# Altium PCB PCB_MPPT_rev1.PcbDoc (part 1 of 3) (continued)
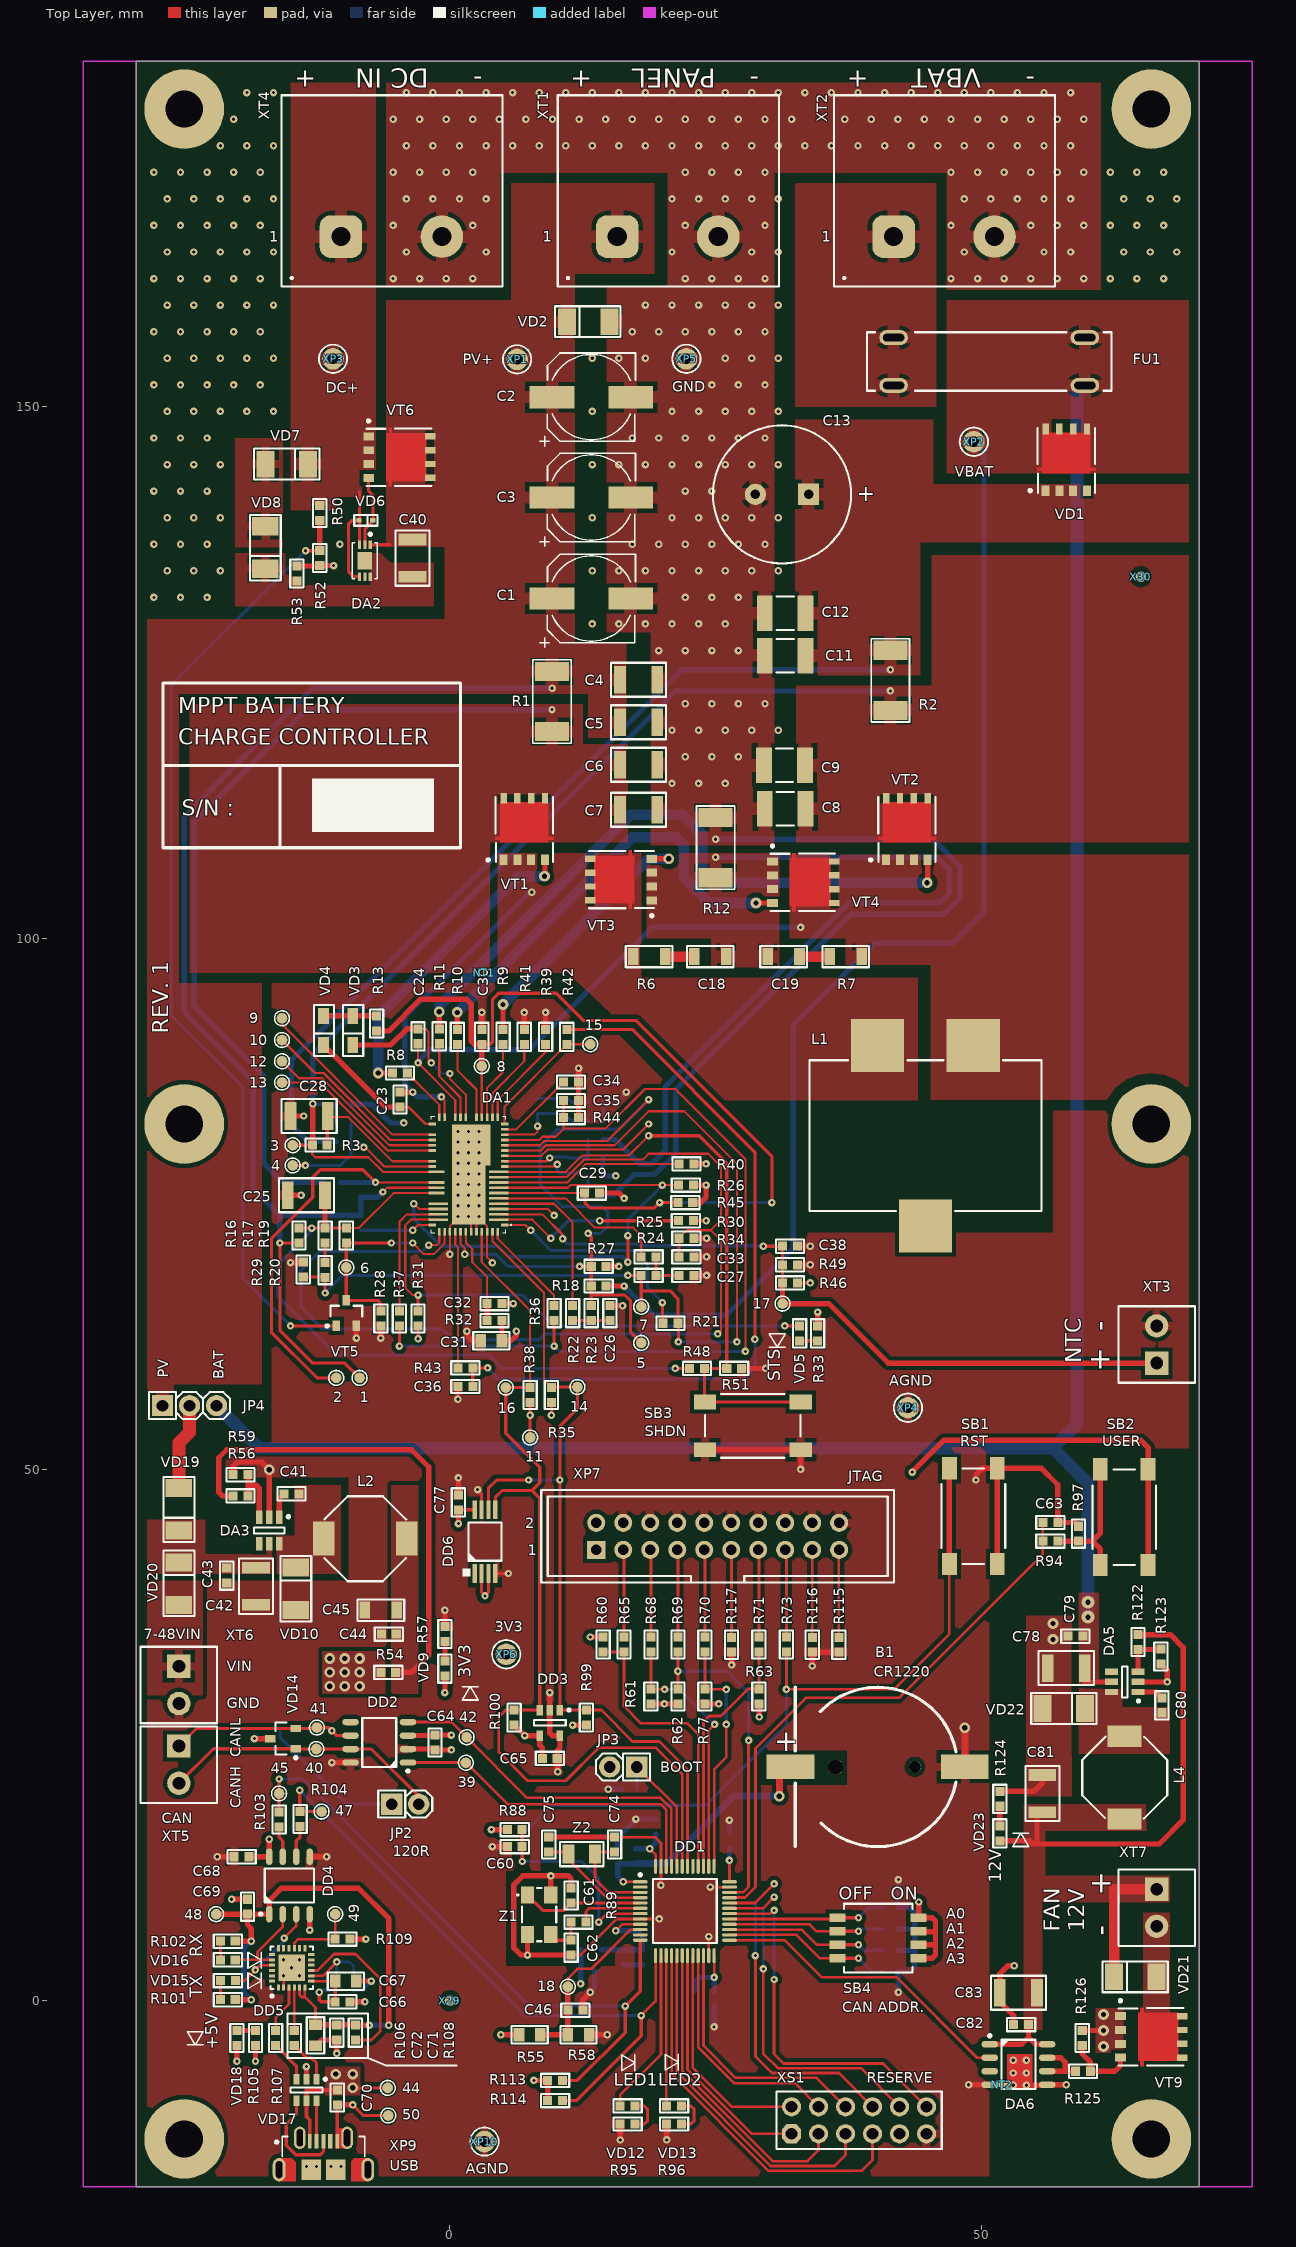
[diagram p0: Top Layer view]
## Components (designator, comment, footprint, x,y, rotation, side; value= is the part's Value field where it differs from the comment)
1 "test" TEST_POINT_SMD -8.5,58.609 r180 top
2 "test" TEST_POINT_SMD -10.7,58.609 r180 top
3 "test" TEST_POINT_SMD -14.8,80.5 r90 top
4 "test" TEST_POINT_SMD -14.8,78.6 r90 top
5 "test" TEST_POINT_SMD 18,61.9 r90 top
6 "test" TEST_POINT_SMD -9.75,69 r90 top
7 "test" TEST_POINT_SMD 18,65.3 r90 top
8 "test" TEST_POINT_SMD 3,87.95 r90 top
9 "test" TEST_POINT_SMD -15.8,92.45 r90 top
10 "test" TEST_POINT_SMD -15.8,90.4 r0 top
11 "test" TEST_POINT_SMD 7.55,53 r0 top
12 "test" TEST_POINT_SMD -15.8,88.4 r0 top
13 "test" TEST_POINT_SMD -15.8,86.4 r0 top
14 "test" TEST_POINT_SMD 12,57.75 r0 top
15 "test" TEST_POINT_SMD 13.2,90 r90 top
16 "test" TEST_POINT_SMD 5.25,57.7 r0 top
17 "test" TEST_POINT_SMD 31.3,65.6 r0 top
18 "test" TEST_POINT_SMD 11.1,1.314 r90 top
39 "test" TEST_POINT_SMD 1.5,22.4 r180 top
40 "test" TEST_POINT_SMD -12.565,23.688 r180 top
41 "test" TEST_POINT_SMD -12.515,25.705 r180 top
42 "test" TEST_POINT_SMD 1.568,24.8 r180 top
44 "test" TEST_POINT_SMD -5.85,-8.2 r180 top
45 "test" TEST_POINT_SMD -16.075,19.5 r90 top
47 "test" TEST_POINT_SMD -12.075,17.8 r90 top
48 "test" TEST_POINT_SMD -22,8.15 r90 top
49 "test" TEST_POINT_SMD -10.8,8.15 r90 top
50 "test" TEST_POINT_SMD -5.8,-10.8 r180 top
B1 "CR1220" "BAT: S8411-45R" 40.25,22 r0 top value=3V
C1 "EP-cap, 33mk, 63V, ±20%" "CAP: EEH-ZA_SIZE-F" 13.309,131.95 r0 top value=33mk
C2 "EP-cap, 33mk, 63V, ±20%" "CAP: EEH-ZA_SIZE-F" 13.309,150.9 r0 top value=33mk
C3 "EP-cap, 33mk, 63V, ±20%" "CAP: EEH-ZA_SIZE-F" 13.309,141.45 r0 top value=33mk
C4 "CAP CER, 2.2mk, X7R, ±10%, 100V, 1210" "CAP: 1210" 17.75,124.3 r180 top value=2.2mk
C5 "CAP CER, 2.2mk, X7R, ±10%, 100V, 1210" "CAP: 1210" 17.75,120.3 r180 top value=2.2mk
C6 "CAP CER, 2.2mk, X7R, ±10%, 100V, 1210" "CAP: 1210" 17.75,116.3 r180 top value=2.2mk
C7 "CAP CER, 2.2mk, X7R, ±10%, 100V, 1210" "CAP: 1210" 17.75,112.075 r180 top value=2.2mk
C8 "CAP CER, 4.7mk, X7S, ±20%, 100V, 1812" "CAP: 1812" 31.55,112.15 r0 top value=4.7mk
C9 "CAP CER, 4.7mk, X7S, ±20%, 100V, 1812" "CAP: 1812" 31.5,116.25 r0 top value=4.7mk
C11 "CAP CER, 4.7mk, X7S, ±20%, 100V, 1812" "CAP: 1812" 31.55,126.575 r0 top value=4.7mk
C12 "CAP CER, 4.7mk, X7S, ±20%, 100V, 1812" "CAP: 1812" 31.55,130.575 r0 top value=4.7mk
C13 "CAP ALUM, 220mk, 100V, ±20%" "CAP: D13C5H25" 31.25,141.75 r180 top value=220mk
C14 "CAP CER, 0.01mk, X7R, ±10%, 100V, 0603" "CAP: 0603" -10,84.35 r180 bottom value=0.01mk
C15 "CAP CER, 0.47mk, X7R, ±10%, 16V, 0603" "CAP: 0603" -10,82.6 r0 bottom value=0.47mk
C16 "CAP CER, 0.47mk, X7R, ±10%, 16V, 0603" "CAP: 0603" -8.4,76.3 r90 bottom value=0.47mk
C17 "CAP CER, 0.01mk, X7R, ±10%, 100V, 0603" "CAP: 0603" -8.4,73.2 r90 bottom value=0.01mk
C18 "CAP CER, 1000p, NP0, ±10%, 100V, 1206" "CAP: 1206" 24.5,98.25 r180 top value=1000p
C19 "CAP CER, 1000p, NP0, ±10%, 100V, 1206" "CAP: 1206" 31.398,98.25 r0 top value=1000p
C20 "CAP CER, 1n, X7R, ±20%, 16V, 0603" "CAP: 0603" 11.2,78.6 r90 bottom value=1n
C21 "CAP CER, 3.3n, X7R, ±20%, 16V, 0603" "CAP: 0603" 13.7,79.3 r0 bottom value=3.3n
C22 "CAP CER, 3.3n, X7R, ±20%, 16V, 0603" "CAP: 0603" 13.7,77.6 r0 bottom value=3.3n
C23 "CAP CER, 0.22mk, X5R, ±20%, 16V, 0603" "CAP: 0603" -4.7,84.8 r270 top value=0.22mk
C24 "CAP CER, 0.22mk, X5R, ±20%, 16V, 0603" "CAP: 0603" -3,90.75 r270 top value=0.22mk
C25 "CAP CER, 2.2mk, X7R, ±10%, 100V, 1210" "CAP: 1210" -13.5,75.8 r0 top value=2.2mk
C26 "CAP CER, 0.1mk, X7R, ±10%, 100V, 0603" "CAP: 0603" 15.05,64.7 r270 top value=0.1mk
C27 "CAP CER, 1mk, X7R, ±10%, 16V, 0603" "CAP: 0603" 22.25,68.25 r180 top value=1mk
C28 "CAP CER, 1mk, X7R, ±10%, 100V, 1210" "CAP: 1210" -13.25,83.25 r180 top value=1mk
C29 "CAP CER, 2.2mk, X5R, ±10%, 10V, 0603" "CAP: 0603" 13.359,76 r180 top value=2.2mk
C30 "CAP CER, 2.2mk, X5R, ±10%, 10V, 0603" "CAP: 0603" 3,90.7 r90 top value=2.2mk
C31 "CAP CER, 4.7mk, X7R, ±10%, 16V, 0805" "CAP: 0805" 3.9,62.1 r0 top value=4.7mk
C32 "CAP CER, 1mk, X7R, ±10%, 16V, 0603" "CAP: 0603" 4.2,65.6 r180 top value=1mk
C33 "CAP CER, 0.01mk, X7R, ±10%, 100V, 0603" "CAP: 0603" 22.25,70 r180 top value=0.01mk
C34 "CAP CER, 0.1mk, X7R, ±10%, 100V, 0603" "CAP: 0603" 11.4,86.45 r180 top value=0.1mk
C35 "CAP CER, 0.01mk, X7R, ±10%, 100V, 0603" "CAP: 0603" 11.4,84.7 r180 top value=0.01mk
C36 "CAP CER, 0.068mk, X7R, ±10%, 16V, 0603" "CAP: 0603" 1.45,57.8 r0 top value=0.068mk
C37 "CAP CER, 220p, X7R, ±5%, 25V, 0603" "CAP: 0603" 13.7,82.8 r180 bottom value=220p
C38 "CAP CER, 0.1mk, X7R, ±10%, 100V, 0603" "CAP: 0603" 32,71 r180 top value=0.1mk
C39 "CAP CER, 6.8n, X7R, ±10%, 50V, 0603" "CAP: 0603" 13.7,84.55 r180 bottom value=6.8n
C40 "CAP CER, 2.2mk, X7R, ±10%, 100V, 1210" "CAP: 1210" -3.52,135.75 r90 top value=2.2mk
C41 "CAP CER, 0.1mk, X7R, ±10%, 100V, 0603" "CAP: 0603" -14.9,47.7 r180 top value=0.1mk
C42 "CAP CER, 2.2mk, X7R, ±10%, 100V, 1210" "CAP: 1210" -18.25,39 r90 top value=2.2mk
C43 "CAP CER, 0.1mk, X7R, ±10%, 100V, 0603" "CAP: 0603" -21,40 r90 top value=0.1mk
C44 "CAP CER, 0.1mk, X7R, ±10%, 100V, 0603" "CAP: 0603" -5.75,34.5 r0 top value=0.1mk
C45 "CAP CER, 47mk, X5R, ±10%, 25V, 1206" "CAP: 1206" -6.5,36.75 r0 top value=47mk
C46 "CAP CER, 0.01mk, X7R, ±10%, 100V, 0603" "CAP: 0603" 11.805,-0.891 r180 top value=0.01mk
C51 "CAP CER, 0.1mk, X7R, ±10%, 16V, 0603" "CAP: 0603" 19.359,16.395 r270 bottom value=0.1mk
C52 "CAP CER, 0.1mk, X7R, ±10%, 16V, 0603" "CAP: 0603" 24.859,0.195 r90 bottom value=0.1mk
C53 "CAP CER, 1mk, X7R, ±10%, 16V, 0603" "CAP: 0603" 15.8,13.6 r270 bottom value=1mk
C54 "CAP CER, 0.1mk, X7R, ±10%, 16V, 0603" "CAP: 0603" 26.3,15.1 r270 bottom value=0.1mk
C55 "CAP CER, 0.01mk, X7R, ±10%, 100V, 0603" "CAP: 0603" 16.4,4.1 r90 bottom value=0.01mk
C56 "CAP CER, 2.2mk, X5R, ±10%, 10V, 0603" "CAP: 0603" 18.1,4.1 r90 bottom value=2.2mk
C57 "CAP CER, 0.1mk, X7R, ±10%, 16V, 0603" "CAP: 0603" 13,2.8 r180 bottom value=0.1mk
C60 "CAP CER, 0.1mk, X7R, ±10%, 16V, 0603" "CAP: 0603" 6.1,14.5 r0 top value=0.1mk
C61 "CAP CER, 16p, NP0, ±5%, 50V, 0603" "CAP: 0603" 11.4,9.9 r270 top value=16p
C62 "CAP CER, 16p, NP0, ±5%, 50V, 0603" "CAP: 0603" 11.4,5 r90 top value=16p
C63 "CAP CER, 0.1mk, X7R, ±10%, 16V, 0603" "CAP: 0603" 56.5,45 r180 top value=0.1mk
C64 "CAP CER, 0.1mk, X7R, ±10%, 16V, 0603" "CAP: 0603" -1.4,24.3 r90 top value=0.1mk
C65 "CAP CER, 0.1mk, X7R, ±10%, 16V, 0603" "CAP: 0603" 9.4,22.799 r180 top value=0.1mk
C66 "CAP CER, 0.1mk, X7R, ±10%, 16V, 0603" "CAP: 0603" -10.1,-0.1 r0 top value=0.1mk
C67 "CAP CER, 4.7mk, X7R, ±10%, 16V, 0805" "CAP: 0805" -9.8,1.85 r180 top value=4.7mk
C68 "CAP CER, 0.1mk, X7R, ±10%, 16V, 0603" "CAP: 0603" -19.597,13.55 r180 top value=0.1mk
C69 "CAP CER, 0.1mk, X7R, ±10%, 16V, 0603" "CAP: 0603" -19.047,8.85 r90 top value=0.1mk
C70 "CAP CER, 0.1mk, X7R, ±10%, 16V, 0603" "CAP: 0603" -10.6,-9.1 r270 top value=0.1mk
C71 "CAP CER, 0.1mk, X7R, ±10%, 16V, 0603" "CAP: 0603" -10.65,-3 r270 top value=0.1mk
C72 "CAP CER, 4.7mk, X7R, ±10%, 16V, 0805" "CAP: 0805" -12.647,-3.25 r90 top value=4.7mk
C74 "CAP CER, 6.8p, NP0, ±0.5pF, 50V, 0603" "CAP: 0603" 15.5,14.7 r90 top value=6.8p
C75 "CAP CER, 6.8p, NP0, ±0.5pF, 50V, 0603" "CAP: 0603" 9.3,14.7 r90 top value=6.8p
C76 "CAP CER, 10mk, X5R, ±10%, 10V, 0603" "CAP: 0603" 23,0.25 r90 bottom value=10mk
C77 "CAP CER, 0.1mk, X7R, ±10%, 16V, 0603" "CAP: 0603" 0.8,46.9 r270 top value=0.1mk
C78 "CAP CER, 2.2mk, X7R, ±10%, 100V, 1210" "CAP: 1210" 58,31.3 r0 top value=2.2mk
C79 "CAP CER, 0.1mk, X7R, ±10%, 100V, 0603" "CAP: 0603" 58.85,34.3 r0 top value=0.1mk
C80 "CAP CER, 0.1mk, X7R, ±10%, 100V, 0603" "CAP: 0603" 67,27.8 r90 top value=0.1mk
C81 "CAP CER, 2.2mk, X7R, ±10%, 100V, 1210" "CAP: 1210" 55.75,19.5 r270 top value=2.2mk
C82 "CAP CER, 0.1mk, X7R, ±10%, 100V, 0603" "CAP: 0603" 53.75,-2.25 r0 top value=0.1mk
C83 "CAP CER, 2.2mk, X7R, ±10%, 100V, 1210" "CAP: 1210" 53.5,0.75 r0 top value=2.2mk
DA1 "LT8491EUKJ#PBF" "64-LEAD PLASTIC QFN" 1.75,77.75 r90 top locked
DA2 "IC, Ideal Diode Controller, 6-DFN (2x3)" 6-DFN-6_DCB-M -8,135.5 r270 top locked
DA3 "DC/DC buck converter, SOT23-6" "SOT23-6 Thin" -17,44.25 r270 top
DA5 "DC/DC buck converter, SOT23-6" "SOT23-6 Thin" 63.5,30 r180 top
DA6 "Low side gate driver, P+N channel, 500kHz, ±9A, supply 4...15V, -40...+125°C, 8-SOIC" 8-SOIC 53.5,-6 r0 top locked
DD1 "IC microcontroller, 32-Bit, Cortex-M4, 72MHz, 64KB, 12KB, 48-LQFP" 48-LQFP 22.109,8.445 r0 top locked
DD2 "IC CAN transceiver, 8-SOIC" 8-SOIC -6.65,24.318 r180 top
DD3 "EEPROM, 128KB (16Kx8), 400 kHz, I2C, SOT-23-5" SOT23-5 9.4,26.15 r270 top
DD4 "IC digital isolator, 8-SOIC" 8-SOIC -15.097,10.85 r90 top locked
DD5 "USB Bridge, USB to UART, USB2.0, 24-QFN(4x4)" 24-QFN -14.897,3.1 r90 top locked
DD6 "EEPROM Memory IC 1Mb (128K x 8) I²C 1MHz 550ns 8-TSSOP" 8-TSSOP 3.3,43.2 r90 top
FU1 "FUSE CLIP, 250VAC, 10A, 5x20mm" "FUSE: 01110501Z (5X20 MM)" 59.75,152 r180 top value=10A
JP2 "PLS-2 SINGLE ROW, 2pin, 2.54mm, 500VAC, 3A" "CON: PLS-2" -4.2,18.5 r0 top
JP3 "PLS-2 SINGLE ROW, 2pin, 2.54mm, 500VAC, 3A" "CON: PLS-2" 16.3,22 r180 top
JP4 "PLS-3 SINGLE ROW, 3pin, 2.54mm, 500VAC, 3A" "CON: PLS-3" -24.5,56 r0 top
L1 "Fixed inductor, 33mkH, ±15%, SMD Shielded, Ferrite (MnZn), , 12A" "IND: WE-HCF_2013" 44.75,81.4 r180 top locked value=33mkH
L2 "Fixed inductor, 33mkH, ±15%, SMD Nonstandard, Ferrite, , 1.7A" "IND: SRU8043" -7.97,43.475 r270 top locked value=33mkH
L3 "Fixed inductor, 10μH, ±20%, 0805, 250mA" "IND: 0805" 13.3,4.8 r0 bottom value=10?H
L4 "Fixed inductor, 33mkH, ±15%, SMD Nonstandard, Ferrite, , 1.7A" "IND: SRU8043" 63.5,21 r180 top value=33mkH
NT1 "ValueManufacturerPartNumber" NetTie_0805_2 3.25,96.75 r90 top net-tie
NT2 "ValueManufacturerPartNumber" NET_TIE 51.9,-6.7 r0 top net-tie
R1 "Res, SMD, 0.005, ±1%, 2512, 2W" "RES: 2512" 9.607,122.25 r90 top value=0.005
R2 "Res, SMD, 0.012, ±1%, 2512, 2W" "RES: 2512" 41.45,124.25 r270 top value=0.012
R3 "Res, SMD, 10, ±5%, 0603, 0.1W" "RES: 0603" -12.25,80.525 r0 top value=10
R4 "Res, SMD, 10, ±5%, 0603, 0.1W" "RES: 0603" -10,80.85 r0 bottom value=10
R5 "Res, SMD, 10, ±5%, 0603, 0.1W" "RES: 0603" -11,77 r0 bottom value=10
R6 "Resistor film, 1.2, ±5%, 1206, 0.25W" "RES: 1206" 18.75,98.25 r180 top value=1.2
R7 "Resistor film, 1.2, ±5%, 1206, 0.25W" "RES: 1206" 37.248,98.25 r0 top value=1.2
R8 "Res, SMD, 3, ±5%, 0603, 0.1W" "RES: 0603" -4.7,87.3 r180 top value=3
R9 "Res, SMD, 3, ±5%, 0603, 0.1W" "RES: 0603" 5,90.7 r90 top value=3
R10 "Res, SMD, 3, ±5%, 0603, 0.1W" "RES: 0603" 0.7,90.7 r90 top value=3
R11 "Res, SMD, 3, ±5%, 0603, 0.1W" "RES: 0603" -1,90.75 r90 top value=3
R12 "Res, SMD, 0.010, ±1%, 2512, 2W" "RES: 2512" 25,108.5 r270 top value=0.010
R13 "Res, SMD, 3, ±5%, 0603, 0.1W" "RES: 0603" -6.9,91.95 r270 top value=3
R14 "Res, SMD, 10, ±5%, 0603, 0.1W" "RES: 0603" 13.7,81.05 r180 bottom value=10
R15 "Res, SMD, 10, ±5%, 0603, 0.1W" "RES: 0603" 13.7,75.85 r180 bottom value=10
R16 "Res, SMD, 0, ±1%, 0603, 0.1W" "RES: 0603" -14.2,72 r90 top value=0
R17 "Res, SMD, 107k, ±1%, 0603, 0.1W" "RES: 0603" -11.75,72 r270 top value=107k
R18 "Res, SMD, 820k, ±1%, 0603, 0.1W" "RES: 0603" 14,67.259 r0 top value=820k
R19 "Res, SMD, 196k, ±1%, 0603, 0.1W" "RES: 0603" -9.75,72 r270 top value=196k
R20 "Res, SMD, 0, ±1%, 0603, 0.1W" "RES: 0603" -11.75,68.75 r270 top value=0
R21 "Res, SMD, 0, ±1%, 0603, 0.1W" "RES: 0603" 20.75,63.75 r180 top value=0
R22 "Res, SMD, 24k, ±1%, 0603, 0.1W" "RES: 0603" 11.55,64.7 r90 top value=24k
R23 "Res, SMD, 120k, ±1%, 0603, 0.1W" "RES: 0603" 13.3,64.7 r270 top value=120k
R24 "Res, SMD, 8.66k, ±1%, 0603, 0.1W" "RES: 0603" 18.7,68.25 r0 top value=8.66k
R25 "Res, SMD, 1.69k, ±1%, 0603, 0.1W" "RES: 0603" 18.7,70 r180 top value=1.69k
R26 "Res, SMD, 200k, ±1%, 0603, 0.1W" "RES: 0603" 22.2,76.75 r0 top value=200k
R27 "Res, SMD, 20k, ±1%, 0603, 0.1W" "RES: 0603" 14,69.1 r180 top value=20k
R28 "Res, SMD, 8.06k, ±1%, 0603, 0.1W" "RES: 0603" -6.5,64.2 r270 top value=8.06k
R29 "Res, SMD, 4.87k, ±1%, 0603, 0.1W" "RES: 0603" -13.8,68.8 r90 top value=4.87k
R30 "Res, SMD, 100k, ±1%, 0603, 0.1W" "RES: 0603" 22.2,73.4 r0 top value=100k
R31 "Res, SMD, 1.3k, ±1%, 0603, 0.1W" "RES: 0603" -3,64.2 r270 top value=1.3k
R32 "Res, SMD, 1, ±1%, 0603, 0.1W" "RES: 0603" 4.2,64 r180 top value=1
R33 "Res, SMD, 549, ±1%, 0603, 0.1W" "RES: 0603" 34.6,62.8 r270 top value=549
R34 "Res, SMD, 21k, ±1%, 0603, 0.1W" "RES: 0603" 22.25,71.75 r180 top value=21k
R35 "Res, SMD, 10k, ±5%, 0603, 0.1W" "RES: 0603" 9.55,57 r90 top value=10k
R36 "Res, SMD, 3.01k, ±1%, 0603, 0.1W" "RES: 0603" 9.8,64.7 r90 top value=3.01k
R37 "Res, SMD, 0, ±1%, 0603, 0.1W" "RES: 0603" -4.75,64.2 r270 top value=0
R38 "Res, SMD, 10k, ±5%, 0603, 0.1W" "RES: 0603" 7.55,57 r90 top value=10k
R39 "Res, SMD, 10k, ±5%, 0603, 0.1W" "RES: 0603" 9,90.7 r270 top value=10k
R40 "Res, SMD, 0, ±1%, 0603, 0.1W" "RES: 0603" 22.259,78.75 r180 top value=0
R41 "Res, SMD, 365k, ±1%, 0603, 0.1W" "RES: 0603" 7,90.7 r270 top value=365k
R42 "Res, SMD, 53.6k, ±1%, 0603, 0.1W" "RES: 0603" 11,90.7 r270 top value=53.6k
R43 "Res, SMD, 0, ±1%, 0603, 0.1W" "RES: 0603" 1.45,59.55 r180 top value=0
R44 "Res, SMD, 25.5k, ±1%, 0603, 0.1W" "RES: 0603" 11.4,83.1 r180 top value=25.5k
R45 "Res, SMD, 0, ±1%, 0603, 0.1W" "RES: 0603" 22.15,75.1 r180 top value=0
R46 "Res, SMD, 11.5k, ±1%, 0603, 0.1W" "RES: 0603" 32,67.55 r0 top value=11.5k
R47 "Res, SMD, 4.99k, ±1%, 0603, 0.1W" "RES: 0603" 8.25,84.2 r270 bottom value=4.99k
R48 "Res, SMD, 110k, ±1%, 0603, 0.1W" "RES: 0603" 23.25,59.5 r180 top value=110k
R49 "Res, SMD, 10k, ±5%, 0603, 0.1W" "RES: 0603" 32,69.25 r180 top value=10k
R50 "Res, SMD, 100k, ±1%, 0603, 0.1W" "RES: 0603" -12.25,140 r90 top value=100k
R51 "Res, SMD, 35.7k, ±1%, 0603, 0.1W" "RES: 0603" 26.75,59.5 r180 top value=35.7k
R52 "Res, SMD, 33.2k, ±1%, 0603, 0.1W" "RES: 0603" -12.25,135.75 r90 top value=33.2k
R53 "Res, SMD, 1k, ±1%, 0603, 0.1W" "RES: 0603" -14.4,134.3 r90 top value=1k
R54 "Res, SMD, 0, ±1%, 0603, 0.1W" "RES: 0603" -5.8,30.9 r0 top value=0
R55 "NTC resistor, 4.7k, ±5%, 0805, 3650K, -55...+125°C" "RES: 0805" 7.5,-3.2 r180 top value=4.7k
R56 "Res, SMD, 28k, ±1%, 0603, 0.1W" "RES: 0603" -19.7,47.5 r180 top value=28k
R57 "Res, SMD, 330, ±1%, 0603, 0.1W" "RES: 0603" -0.47,34.5 r270 top value=330
R58 "Resistor film, 5.1k, ±1%, 0805, 0.125W" "RES: 0805" 12.1,-3.2 r0 top value=5.1k
R59 "Res, SMD, 8.45k, ±1%, 0603, 0.1W" "RES: 0603" -19.7,49.5 r0 top value=8.45k
R60 "Res, SMD, 10k, ±5%, 0603, 0.1W" "RES: 0603" 14.416,33.528 r90 top value=10k
R61 "Res, SMD, 10k, ±5%, 0603, 0.1W" "RES: 0603" 18.916,28.628 r270 top value=10k
R62 "Res, SMD, 10k, ±5%, 0603, 0.1W" "RES: 0603" 21.458,28.628 r270 top value=10k
R63 "Res, SMD, 10k, ±5%, 0603, 0.1W" "RES: 0603" 29.078,28.628 r270 top value=10k
R65 "Res, SMD, 22, ±5%, 0603, 0.1W" "RES: 0603" 16.378,33.528 r90 top value=22
R68 "Res, SMD, 22, ±5%, 0603, 0.1W" "RES: 0603" 18.918,33.528 r90 top value=22
R69 "Res, SMD, 22, ±5%, 0603, 0.1W" "RES: 0603" 21.458,33.528 r90 top value=22
R70 "Res, SMD, 22, ±5%, 0603, 0.1W" "RES: 0603" 23.998,33.528 r90 top value=22
R71 "Res, SMD, 22, ±5%, 0603, 0.1W" "RES: 0603" 29.078,33.528 r90 top value=22
R73 "Res, SMD, 22, ±5%, 0603, 0.1W" "RES: 0603" 31.666,33.528 r90 top value=22
R77 "Res, SMD, 10k, ±5%, 0603, 0.1W" "RES: 0603" 23.998,28.628 r90 top value=10k
R88 "Res, SMD, 100k, ±1%, 0603, 0.1W" "RES: 0603" 6.1,16.1 r180 top value=100k
R89 "Res, SMD, 0, ±1%, 0603, 0.1W" "RES: 0603" 12.1,7.4 r180 top value=0
R92 "Res, SMD, 10k, ±5%, 0603, 0.1W" "RES: 0603" 16.9,19.9 r0 bottom value=10k
R94 "Res, SMD, 10k, ±5%, 0603, 0.1W" "RES: 0603" 56.5,43.25 r180 top value=10k
R95 "Res, SMD, 330, ±1%, 0603, 0.1W" "RES: 0603" 16.725,-11.6 r0 top value=330
R96 "Res, SMD, 330, ±1%, 0603, 0.1W" "RES: 0603" 21.1,-11.596 r0 top value=330
R97 "Res, SMD, 10k, ±5%, 0603, 0.1W" "RES: 0603" 59.15,43.95 r270 top value=10k
R98 "Resistor film, 120, ±5%, 0805, 0.125W" "RES: 0805" -15,25.7 r0 bottom value=120
R99 "Res, SMD, 10k, ±5%, 0603, 0.1W" "RES: 0603" 12.839,26.654 r90 top value=10k
R100 "Res, SMD, 10k, ±5%, 0603, 0.1W" "RES: 0603" 6.039,26.654 r90 top value=10k
R101 "Res, SMD, 1k, ±1%, 0603, 0.1W" "RES: 0603" -20.9,0.1 r180 top value=1k
R102 "Res, SMD, 1k, ±1%, 0603, 0.1W" "RES: 0603" -20.9,5.6 r180 top value=1k
R103 "Res, SMD, 22, ±5%, 0603, 0.1W" "RES: 0603" -16.075,17.05 r270 top value=22
R104 "Res, SMD, 22, ±5%, 0603, 0.1W" "RES: 0603" -14.1,17.1 r270 top value=22
R105 "Res, SMD, 1k, ±1%, 0603, 0.1W" "RES: 0603" -18.297,-3.5 r90 top value=1k
R106 "Res, SMD, 22, ±5%, 0603, 0.1W" "RES: 0603" -14.647,-3.5 r270 top value=22
R107 "Res, SMD, 22, ±5%, 0603, 0.1W" "RES: 0603" -16.397,-3.5 r270 top value=22
R108 "Res, SMD, 1k, ±1%, 0603, 0.1W" "RES: 0603" -8.9,-3 r270 top value=1k
R109 "Res, SMD, 10k, ±5%, 0603, 0.1W" "RES: 0603" -10.1,5.8 r180 top value=10k
R110 "Res, SMD, 22.6k, ±1%, 0603, 0.1W" "RES: 0603" -9.05,1.7 r270 bottom value=22.6k
R111 "Res, SMD, 10k, ±5%, 0603, 0.1W" "RES: 0603" -10.65,1.7 r270 bottom value=10k
R112 "Res, SMD, 0, ±1%, 0603, 0.1W" "RES: 0603" 17.5,13.6 r270 bottom value=0
R113 "Res, SMD, 10k, ±5%, 0603, 0.1W" "RES: 0603" 9.9,-7.5 r180 top value=10k
R114 "Res, SMD, 10k, ±5%, 0603, 0.1W" "RES: 0603" 9.9,-9.4 r180 top value=10k
R115 "Res, SMD, 10k, ±5%, 0603, 0.1W" "RES: 0603" 36.6,33.5 r90 top value=10k
R116 "Res, SMD, 10k, ±5%, 0603, 0.1W" "RES: 0603" 34.1,33.5 r90 top value=10k
R117 "Res, SMD, 10k, ±5%, 0603, 0.1W" "RES: 0603" 26.5,33.5 r90 top value=10k
R118 "Res, SMD, 10k, ±5%, 0603, 0.1W" "RES: 0603" 41.5,8.75 r180 bottom value=10k
R119 "Res, SMD, 10k, ±5%, 0603, 0.1W" "RES: 0603" 41.5,6.75 r180 bottom value=10k
R120 "Res, SMD, 10k, ±5%, 0603, 0.1W" "RES: 0603" 41.5,4.75 r180 bottom value=10k
R121 "Res, SMD, 10k, ±5%, 0603, 0.1W" "RES: 0603" 41.5,2.75 r180 bottom value=10k
R122 "Res, SMD, 147k, ±1%, 0603, 0.1W" "RES: 0603" 64.75,33.75 r90 top value=147k
R123 "Res, SMD, 10k, ±5%, 0603, 0.1W" "RES: 0603" 66.9,32.4 r270 top value=10k
R124 "Res, SMD, 3.01k, ±1%, 0603, 0.1W" "RES: 0603" 51.75,19 r270 top value=3.01k
R125 "Res, SMD, 3, ±5%, 0603, 0.1W" "RES: 0603" 59.565,-6.635 r180 top value=3
R126 "Res, SMD, 10k, ±5%, 0603, 0.1W" "RES: 0603" 59.5,-3.5 r90 top value=10k
SB1 "Tactile button, 6x6mm" "BUT: 6X6 SMD" 49.25,45.6 r270 top
SB2 "Tactile button, 6x6mm" "BUT: 6X6 SMD" 63.45,45.5 r90 top
SB3 "Tactile button, 6x6mm" "BUT: 6x6 SMD" 28.5,54.1 r180 top
SB4 "DIP switch, 4pin, 24VDC, 25mA, -40...+85°C" "BUT; SW4_1571983_4P_T" 40.3,5.9 r0 top
VD1 "Schottky diode, 100V, 10A, 690mV @ 10A, 8-PowerTDFN, 5 Leads" PG-TDSON-8-7 58,145 r0 top
VD2 "TVS DIODE UNI, 48V, 400W, SMA" "DIODE: SMA" 13,158 r180 top
VD3 "Ultra Fast Rectifier Single, 200V, 1A, SOD-123F" "DIODE: SOD123F" -9.15,91.3 r270 top
VD4 "Ultra Fast Rectifier Single, 200V, 1A, SOD-123F" "DIODE: SOD123F" -11.9,91.3 r270 top
VD5 "LED, 0603, GREEN" "LED: 0603G" 32.9,62.8 r270 top
VD6 "Zener diode, 12V, 300mW, SOD-523" "DIODE: SOD523" -7.9,139.3 r0 top
VD7 "TVS DIODE UNI, 70V, 400W, SMA" "DIODE: SMA" -15.37,144.6 r0 top
VD8 "TVS DIODE UNI, 24V, 400W, SMA" "DIODE: SMA" -17.37,136.75 r270 top
VD9 "LED, 0603, GREEN" "LED: 0603G" -0.47,31.25 r90 top
VD10 "Schottky diode, 100V, 1A, , SMA" "DIODE: SMA" -14.5,38.75 r90 top
VD12 "LED GREEN, 0603, GREEN" "LED: 0603G" 16.725,-9.9 r0 top
VD13 "LED GREEN, 0603, GREEN" "LED: 0603G" 21.1,-9.9 r0 top
VD14 "TVS diode, 24V, 230W peak, 3A, 13pF, SOT-23, -40...+150°C" SOT23 -15.7,24.666 r180 top
VD15 "LED, 0603, BLUE" "LED: 0603B" -20.897,1.9 r0 top
VD16 "LED, 0603, YELLOW" "LED: 0603Y" -20.9,3.85 r0 top
VD17 "TVS USB ESD, 5V, SOT23-6L" SOT23-6 -13.5,-8.4 r270 top
VD18 "LED, 0603" "LED: 0603G" -20.047,-3.5 r270 top
VD19 "Schottky diode, 100V, 1A, , SMA" "DIODE: SMA" -25.5,46.25 r270 top
VD20 "Schottky diode, 100V, 1A, , SMA" "DIODE: SMA" -25.5,39.25 r90 top
VD21 "Schottky diode, 100V, 1A, , SMA" "DIODE: SMA" 64.5,2.25 r180 top
VD22 "Schottky diode, 100V, 1A, , SMA" "DIODE: SMA" 57.75,27.5 r0 top
VD23 "LED, 0603, GREEN" "LED: 0603G" 51.75,15.75 r90 top
VT1 "MOSFET N-ch, 150V, PG-TDSON-8" PG-TDSON-8-7 7,110.25 r0 top
VT2 "MOSFET N-ch, 150V, PG-TDSON-8" PG-TDSON-8-7 43,110.25 r0 top
VT3 "MOSFET N-ch, 150V, PG-TDSON-8" PG-TDSON-8-7 16.1,105.5 r90 top
VT4 "MOSFET N-ch, 150V, PG-TDSON-8" PG-TDSON-8-7 33.25,105.25 r270 top
VT5 "NPN transistor, 40V, 200mA, SOT-23" SOT23 -9.75,64.7 r90 top
VT6 "MOSFET N-ch, 100V, 12A, 8-PowerTDFN" PG-TDSON-8-7 -4.75,145.25 r270 top locked
VT9 "MOSFET N-ch, 100V, 12A, 8-PowerTDFN" PG-TDSON-8-7 66,-3.4 r270 top
X29 "MC" REPER 0,0 r0 top
X30 "MC" REPER 65,134 r0 top
X31 "MC" REPER 0,0 r180 bottom
X32 "MC" REPER 65,134 r180 bottom
XP1 "PV+" "CON: KEYSTONE5000" 6.321,154.45 r0 top
XP2 "VBAT" "CON: KEYSTONE5000" 49.3,146.7 r90 top
XP3 "DC+" "CON: KEYSTONE5000" -11,154.5 r90 top
XP4 "AGND" "CON: KEYSTONE5001" 43.1,55.8 r90 top
XP5 "GND" "CON: KEYSTONE5001" 22.25,154.5 r90 top
XP6 "3V3" "CON: KEYSTONE5000" 5.3,32.6 r0 top
XP7 "Connector IDC, 20pin, 2.54mm" "CON: IDC-20MS" 25.2,43.7 r0 top
XP9 "USB micro (AB)" "CON: MICROUSB_0475890001" -11.9,-14.4 r0 top locked
XP10 "AGND" "CON: KEYSTONE5001" 3.25,-13.25 r0 top
XS1 "Connector, 12pin, 2.54mm, 500VAC, 3A" "CON: PBD-12" 38.5,-11.25 r0 top
XT1 "Connector, 2pin, 9.53mm, 300VAC, 25A" "CON: 6PCV-02-006" 20.5,166 r180 top locked
XT2 "Connector, 2pin, 9.53mm, 300VAC, 25A" "CON: 6PCV-02-006" 46.5,166 r180 top locked
XT3 "Terminal connector, 2pin, 3.5mm, 300VAC, 12A" "CON: DG350-3.5-02P" 66.5,61.75 r90 top locked
XT4 "Connector, 2pin, 9.53mm, 300VAC, 25A" "CON: 6PCV-02-006" -5.5,166 r180 top locked
XT5 "Terminal connector, 2pin, 3.5mm, 300VAC, 12A" "CON: DG350-3.5-02P" -25.5,22.216 r270 top locked
XT6 "Terminal connector, 2pin, 3.5mm, 300VAC, 12A" "CON: DG350-3.5-02P" -25.5,29.716 r270 top locked
XT7 "Terminal connector, 2pin, 3.5mm, 300VAC, 12A" "CON: DG350-3.5-02P" 66.5,8.75 r270 top
Z1 "Oscilator, 8MHz, 18pF, ±25ppm, case 5032" "OSC: ECX-53B (3.2x5)" 8.4,8.1 r270 top
Z2 "Crystal, 32.768kHz, 6pF, ±20ppm, case 3215, -40...+85°C" "OSC: 3215" 12.4,13.8 r0 top

## Footprints (in the part's own frame and the unit in brackets; to place one, negate y for a bottom-side part, rotate by r counter-clockwise, add the part's x,y. Pads: shape width x height; smd on the part's side, far side on the other; paste and mask are expansions set on the pad)
6-DFN-6_DCB-M [mm]
  rect 0.8x0.3 smd paste+0 mask+0.102: 1(-1.495,0.5)
  rect 0.8x0.3 smd paste+0: 2(-1.495,0) 3(-1.495,-0.5) 4(1.495,-0.5) 5(1.495,0) 6(1.495,0.5)
  rect 1.65x1.35 smd paste-0.864: 7(0,0)
  silkscreen extent -2.62,-1.18 1.68,1.18, body extent -1.55,-1.05 1.55,1.05, height 0.81
8-SOIC [mm] "pitch 1.27 mm"
  rrect100% 1.55x0.6 smd: 1(-2.7,1.905) 2(-2.7,0.635) 3(-2.7,-0.635) 4(-2.7,-1.905) 5(2.7,-1.905) 6(2.7,-0.635) 7(2.7,0.635) 8(2.7,1.905)
  round 0.7 on Mech1: 28(-2.395,1.8)
  silkscreen extent -2.82,-2.3 1.61,2.82, body extent -3,-2.45 3,2.45, height 1.75
8-TSSOP [mm]
  rect 1.75x0.4 smd paste+0 mask+0.05: 1(-3.001,0.975) 2(-3.001,0.325) 3(-3.001,-0.325) 4(-3.001,-0.975) 5(3.001,-0.975) 6(3.001,-0.325) 7(3.001,0.325) 8(3.001,0.975)
  silkscreen extent -3.28,-1.55 1.8,2.12, body extent -3.3,-1.55 3.3,1.55, height 1.2
24-QFN [mm] "4x4 mm, pitch 0.5 mm, power pad"
  rect 2.5x2.5 smd: 0(0,0)
  rect 0.6x0.28 smd: 1(-1.85,1.25) 2(-1.85,0.75) 3(-1.85,0.25) 4(-1.85,-0.25) 5(-1.85,-0.75) 6(-1.85,-1.25) 13(1.85,-1.25) 14(1.85,-0.75) 15(1.85,-0.25) 16(1.85,0.25) 17(1.85,0.75) 18(1.85,1.25)
  rect 0.28x0.6 smd: 7(-1.25,-1.85) 8(-0.75,-1.85) 9(-0.25,-1.85) 10(0.25,-1.85) 11(0.75,-1.85) 12(1.25,-1.85) 19(1.25,1.85) 20(0.75,1.85) 21(0.25,1.85) 22(-0.25,1.85) 23(-0.75,1.85) 24(-1.25,1.85)
  round 0.5 on Mech1: ""(-1.5,1.5)
  silkscreen extent -2.77,-2 2,2, body extent -2,-2 2,2, height 0.75
48-LQFP [mm] "QFP, 48-Leads, Body 7x7mm, Pitch 0.5mm, IPC Medium Density"
  oval 1.4x0.3 smd: 1(-4.2,2.75) 2(-4.2,2.25) 3(-4.2,1.75) 4(-4.2,1.25) 5(-4.2,0.75) 6(-4.2,0.25) 7(-4.2,-0.25) 8(-4.2,-0.75) 9(-4.2,-1.25) 10(-4.2,-1.75) 11(-4.2,-2.25) 12(-4.2,-2.75) 25(4.2,-2.75) 26(4.2,-2.25) 27(4.2,-1.75) 28(4.2,-1.25) 29(4.2,-0.75) 30(4.2,-0.25) 31(4.2,0.25) 32(4.2,0.75) 33(4.2,1.25) 34(4.2,1.75) 35(4.2,2.25) 36(4.2,2.75)
  oval 0.3x1.4 smd: 13(-2.75,-4.2) 14(-2.25,-4.2) 15(-1.75,-4.2) 16(-1.25,-4.2) 17(-0.75,-4.2) 18(-0.25,-4.2) 19(0.25,-4.2) 20(0.75,-4.2) 21(1.25,-4.2) 22(1.75,-4.2) 23(2.25,-4.2) 24(2.75,-4.2) 37(2.75,4.2) 38(2.25,4.2) 39(1.75,4.2) 40(1.25,4.2) 41(0.75,4.2) 42(0.25,4.2) 43(-0.25,4.2) 44(-0.75,4.2) 45(-1.25,4.2) 46(-1.75,4.2) 47(-2.25,4.2) 48(-2.75,4.2)
  round 0.5 on Mech1: ""(-4,4)
  silkscreen extent -4.32,-3 3,3.52, body extent -4.39,-4.39 4.39,4.39, height 1.55
"64-LEAD PLASTIC QFN" [mm] "64-Lead (7mm ? 11mm) Plastic QFN"
  rect 0.25x0.7 smd: 1(-4.75,-3.4) 12(0.75,-3.4) 13(1.25,-3.4) 14(1.75,-3.4) 15(2.25,-3.4) 16(2.75,-3.4) 17(3.25,-3.4) 18(3.75,-3.4) 19(4.25,-3.4) 20(4.75,-3.4) 33(4.75,3.4) 35(3.75,3.4) 36(3.25,3.4) 37(2.75,3.4) 38(2.25,3.4) 40(1.25,3.4) 41(0.75,3.4) 52(-4.75,3.4)
  rect 0.25x1.8 smd: 2(-4.25,-2.85) 3(-3.75,-2.85) 4(-3.25,-2.85) 5(-2.75,-2.85) 6(-2.25,-2.85) 7(-1.75,-2.85) 8(-1.25,-2.85) 9(-0.75,-2.85) 10(-0.25,-2.85) 11(0.25,-2.85) 48(-2.75,2.85) 49(-3.25,2.85) 50(-3.75,2.85) 51(-4.25,2.85)
  rect 0.7x0.25 smd: 21(5.4,-2.75) 22(5.4,-2.25) 23(5.4,-1.75) 24(5.4,-1.25) 25(5.4,-0.75) 27(5.4,0.25) 28(5.4,0.75) 29(5.4,1.25) 31(5.4,2.25) 32(5.4,2.75) 53(-5.4,2.75) 54(-5.4,2.25) 55(-5.4,1.75) 56(-5.4,1.25) 57(-5.4,0.75) 58(-5.4,0.25) 59(-5.4,-0.25) 60(-5.4,-0.75) 61(-5.4,-1.25) 62(-5.4,-1.75) 63(-5.4,-2.25) 64(-5.4,-2.75)
  rect 0.25x1.5 smd: 42(0.25,3) 44(-0.75,3) 45(-1.25,3) 46(-1.75,3)
  rect 9.38x3.15 smd: 65(0,0)
  rect 3.83x0.5 smd: 65(2.775,-1.8)
  silkscreen extent -5.5,-4.05 5.5,3.5, body extent -5.5,-3.5 5.5,3.5, height 0.9
"BAT: S8411-45R" [mm] "Äåðæàòåëü áàòàðåè"
  round 1.4 hole 1.4 unplated: 0(-3.95,0)
  round 1.1 hole 1.1 unplated: 0(3.5,0)
  rect 4.5x2.3 smd: +(-8.2,0) -(8.2,0)
  silkscreen extent -7.75,-7.5 7.36,7.5, body extent -9.61,-7.37 9.59,7.37, height 4.25
"BUT: 6X6 SMD" [mm] "Leaded Tactile Button 6x6"
  rect 2.1x1.4 smd: 1(-4.5,2.25) 1(4.5,2.25) 2(-4.5,-2.25) 2(4.5,-2.25)
  silkscreen extent -4.5,-3 4.5,3, body extent -4.5,-3 4.5,3, height 4.3
"BUT: 6x6 SMD" [mm] "Leaded Tactile Button 6x6"
  rect 2.1x1.4 smd: 1(-4.5,2.25) 1(4.5,2.25) 2(-4.5,-2.25) 2(4.5,-2.25)
  silkscreen extent -4.5,-3 4.5,3, body extent -4.5,-3 4.5,3, height 4.3
"BUT; SW4_1571983_4P_T" [mm] "TE"
  rect 1.5x0.8 smd paste+0 mask+0: 1(-3.81,1.905) 2(3.81,1.905) 3(-3.81,0.635) 4(3.81,0.635) 5(-3.81,-0.635) 6(3.81,-0.635) 7(-3.81,-1.905) 8(3.81,-1.905)
  round 0.5 on Top Overlay: ""(-4.051,2.8)
  round 0.5 on Mech1: ""(-2.6,2.5)
  silkscreen extent -3.23,-3.23 3.23,3.23, body extent -4.06,-3.1 4.06,3.1, height 2.3
"CAP: 0603" [mm]
  rect 0.85x0.85 smd: 1(-0.7,0) 2(0.7,0)
  silkscreen extent -1.33,-0.63 1.33,0.63, body extent -0.8,-0.4 0.8,0.4, height 0.3
"CAP: 0805" [mm]
  rect 1x1.25 smd: 1(-1,0) 2(1,0)
  silkscreen extent -1.7,-0.82 1.7,0.82, body extent -1,-0.62 1,0.63, height 0.78
"CAP: 1206" [mm]
  rect 1x1.6 smd: 1(-1.5,0) 2(1.5,0)
  silkscreen extent -2.2,-1 2.2,1, body extent -1.6,-0.8 1.6,0.8, height 1
"CAP: 1210" [mm]
  rect 1.1x2.6 smd: 1(-1.75,0) 2(1.75,0)
  silkscreen extent -2.6,-1.6 2.6,1.6, body extent -2,-1.24 2,1.24, height 1.7
"CAP: 1812" [mm]
  rect 1.5x3.35 smd: 1(-1.925,0) 2(1.925,0)
  silkscreen extent -0.8,-1.58 0.8,1.58, body extent -2.25,-1.6 2.25,1.6, height 1.6
"CAP: D13C5H25" [mm]
  rect 2x2 hole 0.9: 1(-2.5,0)
  round 2 hole 0.9: 2(2.5,0)
  silkscreen extent -6.5,-6.5 6.5,6.5, body extent -6.5,-6.5 6.5,6.5, height 25
"CAP: EEH-ZA_SIZE-F" [mm] "SMD=8.3x8.3; D = 8; H= 10.5 Panasonic Hybrid"
  rect 4.2x2.1 smd: 1(-3.7,0) 2(3.7,0)
  silkscreen extent -4.85,-4.6 4.15,4.15, body extent -5,-4.25 5,4.25, height 10.5
"CON: 6PCV-02-006" [mm]
  rrect50% 4x4 hole 1.8: 1(4.75,0)
  round 4 hole 1.8: 2(-4.75,0)
  silkscreen extent -10.45,-13.3 10.35,4.7, body extent -10.35,-13.2 10.25,4.58, height 15.96
"CON: DG350-3.5-02P" [mm]
  rect 2.2x2.2 hole 1.2: 1(-1.75,0)
  round 2.2 hole 1.2: 2(1.75,0)
  round 0.5 on Top Overlay: ""(-3.1,-2.9)
  silkscreen extent -3.6,-3.6 3.6,3.6, body extent -3.56,-3.64 3.56,3.64, height 8.51
"CON: IDC-20MS" [mm]
  rect 1.7x1.7 hole 1: 1(-11.43,-1.27)
  round 1.7 hole 1: 2(-11.43,1.27) 3(-8.89,-1.27) 4(-8.89,1.27) 5(-6.35,-1.27) 6(-6.35,1.27) 7(-3.81,-1.27) 8(-3.81,1.27) 9(-1.27,-1.27) 10(-1.27,1.27) 11(1.27,-1.27) 12(1.27,1.27) 13(3.81,-1.27) 14(3.81,1.27) 15(6.35,-1.27) 16(6.35,1.27) 17(8.89,-1.27) 18(8.89,1.27) 19(11.43,-1.27) 20(11.43,1.27)
  round 0.5 on Mech1: 41(-15.9,-4)
  silkscreen extent -16.6,-4.35 16.6,4.35, body extent -16.43,-4.52 16.57,4.58, height 9
"CON: KEYSTONE5000" [mil] "For Keystone 500x miniature loop terminals"
  round 80 hole 39.37: 1(0,0)
  silkscreen extent -52,-52 52,52, body extent -49,-49 49,49, height 182
"CON: KEYSTONE5001" [mil] "For Keystone 500x miniature loop terminals"
  round 80 hole 39.37: 1(0,0)
  silkscreen extent -52,-52 52,52, body extent -50,-50 50,50, height 180
"CON: MICROUSB_0475890001" [mm] "MOLEX"
  oval 1.2x2.2 hole 0.6 slot 1.6 at 90 deg: 0(-4.175,-1.5) 0(4.175,-1.5)
  oval 1.1x2.1 hole 0.6 slot 1.6 at 90 deg: 0(-2.225,1.5) 0(2.225,1.5)
  rect 1.803x1.905 smd: 0(-1.15,-1.5) 0(1.15,-1.5)
  rect 0.35x1.35 smd: 1(-1.3,1.173) 5(1.3,1.173)
  rect 0.4x1.35 smd: 2(-0.65,1.173) 3(0,1.173) 4(0.65,1.173)
  Top Layer region: -4.175,-0.4 -3,-0.4 -2.6,-0.8 -2.6,-2.6 -4.175,-2.6 -3.875,-2.15 -3.872,-0.85
  Top Layer region: 4.175,-0.4 2.9,-0.4 2.6,-0.7 2.6,-2.6 4.175,-2.6 3.875,-2.15 3.872,-0.85
  silkscreen extent -4.52,-0.27 3.87,1.63, body extent -4.32,-4.19 4.32,1.7, height 2.71
"CON: PBD-12" [mm] "PBD-12"
  oct 1.8x1.8 hole 1.1: 1(-6.35,-1.27)
  round 1.8 hole 1.1: 2(-6.35,1.27) 3(-3.81,-1.27) 4(-3.81,1.27) 5(-1.27,-1.27) 6(-1.27,1.27) 7(1.27,-1.27) 8(1.27,1.27) 9(3.81,-1.27) 10(3.81,1.27) 11(6.35,-1.27) 12(6.35,1.27)
  silkscreen extent -7.78,-2.7 7.78,2.7, body extent -7.61,-2.54 7.61,2.54, height 8.5
"CON: PLS-2" [mm]
  rect 2x2 hole 1.1: 1(-1.27,0)
  round 2 hole 1.1: 2(1.27,0)
  silkscreen extent -2.54,-1.27 2.54,1.27, body extent -2.57,-1.28 2.51,1.26, height 8.54
"CON: PLS-3" [mm]
  rect 2x2 hole 1.1: 1(-2.54,0)
  round 2 hole 1.1: 2(0,0) 3(2.54,0)
  silkscreen extent -3.81,-1.27 3.81,1.27, body extent -3.81,-1.27 3.81,1.27, height 8.54
"DIODE: SMA" [mm]
  rect 1.7x2.5 smd: 1(-2,0) 2(2,0)
  round 0.5 on Mech1: ""(2,0.9)
  silkscreen extent -3.05,-1.45 3.1,1.45, body extent -2.5,-1.35 2.5,1.35, height 2.28
"DIODE: SOD123F" [mm]
  rect 1.5x1 smd: 1(-1.375,0) 2(1.375,0)
  round 0.5 on Mech1: ""(1.5,0.5)
  silkscreen extent -2.4,-0.9 2.4,1, body extent -1.87,-0.85 1.88,0.85, height 1.23
"DIODE: SOD523" [mm]
  rect 0.5x0.4 smd: 1(-0.65,0) 2(0.65,0)
  silkscreen extent -1.1,-0.5 1.1,0.5, body extent -0.82,-0.4 0.83,0.4, height 0.65
"FUSE: 01110501Z (5X20 MM)" [mm]
  oval 2.7x1.4 hole 0.7 slot 2 at 0 deg: 1(0,0) 1(0,-4.5) 2(18,-4.5) 2(18,0)
  silkscreen extent -2.5,-5 20.5,0.5, body extent -2.35,-4.8 20.35,0.3, height 8.5
"IND: 0805" [mm]
  rect 1x1.25 smd: 1(-1,0) 2(1,0)
  silkscreen extent -1.8,-0.9 1.8,0.9, body extent -1,-0.63 1,0.63, height 0.85
"IND: SRU8043" [mm] "bourns 8x8"
  rect 3.2x2 smd: 1(0,3.9) 2(0,-3.9)
  silkscreen extent -4,-3.84 4,3.87, body extent -4,-4 4,4, height 4.3
"IND: WE-HCF_2013" [mm] "SMD High Current Inductor, body 21.8x14.2mm WURTH"
  rect 5x5 smd: 1(-4.5,-8.5) 2(4.5,-8.5) 3(0,8.5)
  silkscreen extent -10.9,-7.1 10.9,7.1, body extent -10.75,-10.6 10.75,10.4, height 14.05
"LED: 0603B" [mm]
  rect 0.85x0.85 smd: 1(-0.7,0) 2(0.7,0)
  silkscreen extent -1.33,-0.63 1.33,0.6, body extent -0.8,-0.4 0.8,0.4, height 0.6
"LED: 0603G" [mm]
  rect 0.85x0.85 smd: 1(-0.7,0) 2(0.7,0)
  silkscreen extent -1.33,-0.63 1.33,0.63, body extent -0.8,-0.4 0.8,0.4, height 0.6
"LED: 0603Y" [mm]
  rect 0.85x0.85 smd: 1(-0.7,0) 2(0.7,0)
  silkscreen extent -1.33,-0.63 1.33,0.63, body extent -0.8,-0.4 0.8,0.4, height 0.6
NET_TIE [mm] "NETTIE"
  rect 1x0.4 smd: 1(-0.6,-1.2) 2(0.7,-1.2)
  Top Layer region: -1.105,-1.4 1.195,-1.4 1.195,-1 -1.105,-1
NetTie_0805_2 [mm]
  rect 1x1.25 on Mid2: 1(-0.5,0) 2(0.5,0)
"OSC: 3215" [mm]
  rect 1.1x1.8 smd: 1(-1.25,0) 2(1.25,0)
  silkscreen extent -2.05,-1.15 2.05,1.15, body extent -1.61,-0.76 1.61,0.76, height 0.91
"OSC: ECX-53B (3.2x5)" [mm] "ECX-53B"
  rect 1.6x1.25 smd: 1(-1.85,-1.1) 2(1.85,-1.1) 3(1.85,1.1) 4(-1.85,1.1)
  silkscreen extent -2.5,-2.07 2.5,1.6, body extent -2.5,-1.6 2.5,1.6, height 0.85
PG-TDSON-8-7 [mm] "pitch 1.3 mm, power pad; Infenion"
  rect 0.75x1 smd: 1(-1.95,-2.9) 2(-0.65,-2.9) 3(0.65,-2.9) 4(1.95,-2.9)
  rect 0.6x1 smd: 5(1.95,2.9) 6(0.65,2.9) 7(-0.65,2.9) 8(-1.95,2.9)
  round 0.5 on Mech1: ""(-3.4,-2.9)
  Top Layer region: -2.25,2.525 -1.65,2.525 -0.95,2.525 -0.35,2.525 0.35,2.525 0.95,2.525 1.65,2.525 2.25,2.525 2.25,-0.725 2.75,-0.725 2.75,-1.025 -2.75,-1.025 -2.75,-0.725 -2.25,-0.725
  Top Layer region: -2.75,-1.025 -2.25,-1.025 -2.25,-1.25 2.25,-1.25 2.25,-1.025 2.75,-1.025 2.75,-1.025 2.75,-0.725 -2.75,-0.725
  silkscreen extent -3.52,-3.1 2.7,3, body extent -2.67,-3.1 2.68,3.05, height 1.03
REPER [mm] "ðåïåðíàÿ ìåòêà äëÿ ñòàíêà"
  round 1 smd mask+0.5: 1(0,0)
  Top Layer pour cut-out: 0.017,-1 -0.367,-0.93 -0.695,-0.719 -0.917,-0.399 -1,-0.017 -1,-0.017 -0.93,0.366 -0.719,0.695 -0.399,0.917 -0.017,1 -0.017,1 0.367,0.93 0.695,0.719 0.917,0.399 1,0.017 1,0.017 0.93,-0.367 0.719,-0.695 0.399,-0.917 0.017,-1
"RES: 0603" [mm]
  rect 0.85x0.85 smd: 1(-0.7,0) 2(0.7,0)
  silkscreen extent -1.33,-0.63 1.33,0.63, body extent -0.8,-0.4 0.8,0.4, height 0.44
"RES: 0805" [mm]
  rect 1x1.25 smd: 1(-1,0) 2(1,0)
  silkscreen extent -1.7,-0.82 1.7,0.82, body extent -1,-0.6 1,0.6, height 0.44
"RES: 1206" [mm]
  rect 1x1.6 smd: 1(-1.5,0) 2(1.5,0)
  silkscreen extent -2.2,-1 2.2,1, body extent -1.65,-0.8 1.55,0.8, height 0.47
"RES: 2512" [mm]
  rect 1.8x3.2 smd mask+0.1: 1(-2.825,0) 2(2.825,0)
  silkscreen extent -3.92,-1.8 3.93,1.8, body extent -3.16,-1.6 3.16,1.6, height 0.62
SOT23 [mm]
  rect 1x0.7 smd: 1(-1.2,0.95) 2(-1.2,-0.95) 3(1.2,0)
  silkscreen extent -1.33,-1.5 0.7,1.92, body extent -1.32,-1.52 1.32,1.52, height 1.12
SOT23-5 [mm] "pitch 0.95 mm"
  rect 1x0.6 smd: 1(-1.2,0.95) 2(-1.2,0) 3(-1.2,-0.95) 4(1.2,-0.95) 5(1.2,0.95)
  round 0.5 on Mech1: ""(-1.1,1.1)
  silkscreen extent -1.32,-1.5 0.25,1.93, body extent -1.5,-1.5 1.5,1.5, height 1.3
SOT23-6 [mm] "pitch 0.95 mm"
  rect 1x0.55 smd: 1(-1.025,0.95) 2(-1.025,0) 3(-1.025,-0.95) 4(1.025,-0.95) 5(1.025,0) 6(1.025,0.95)
  round 0.5 on Mech1: ""(-0.8,1)
  silkscreen extent -1.15,-1.5 0.25,1.9, body extent -1.4,-1.45 1.4,1.45, height 1.45
"SOT23-6 Thin" [mm] "TSOT-23-6"
  rect 1.25x0.6 smd: 1(-1.25,0.95) 2(-1.25,0) 3(-1.25,-0.95) 4(1.25,-0.95) 5(1.25,0) 6(1.25,0.95)
  silkscreen extent -1.42,-1.45 0.28,1.92, body extent -1.4,-1.45 1.4,1.45, height 1.1
TEST_POINT_SMD [mm] "êîíòàêòíàÿ ïëîùàäêà"
  round 1 smd mask+0.1: 1(0,0)
  silkscreen extent -0.7,-0.7 0.7,0.7